# KiCad board panel.kicad_pcb (continued)
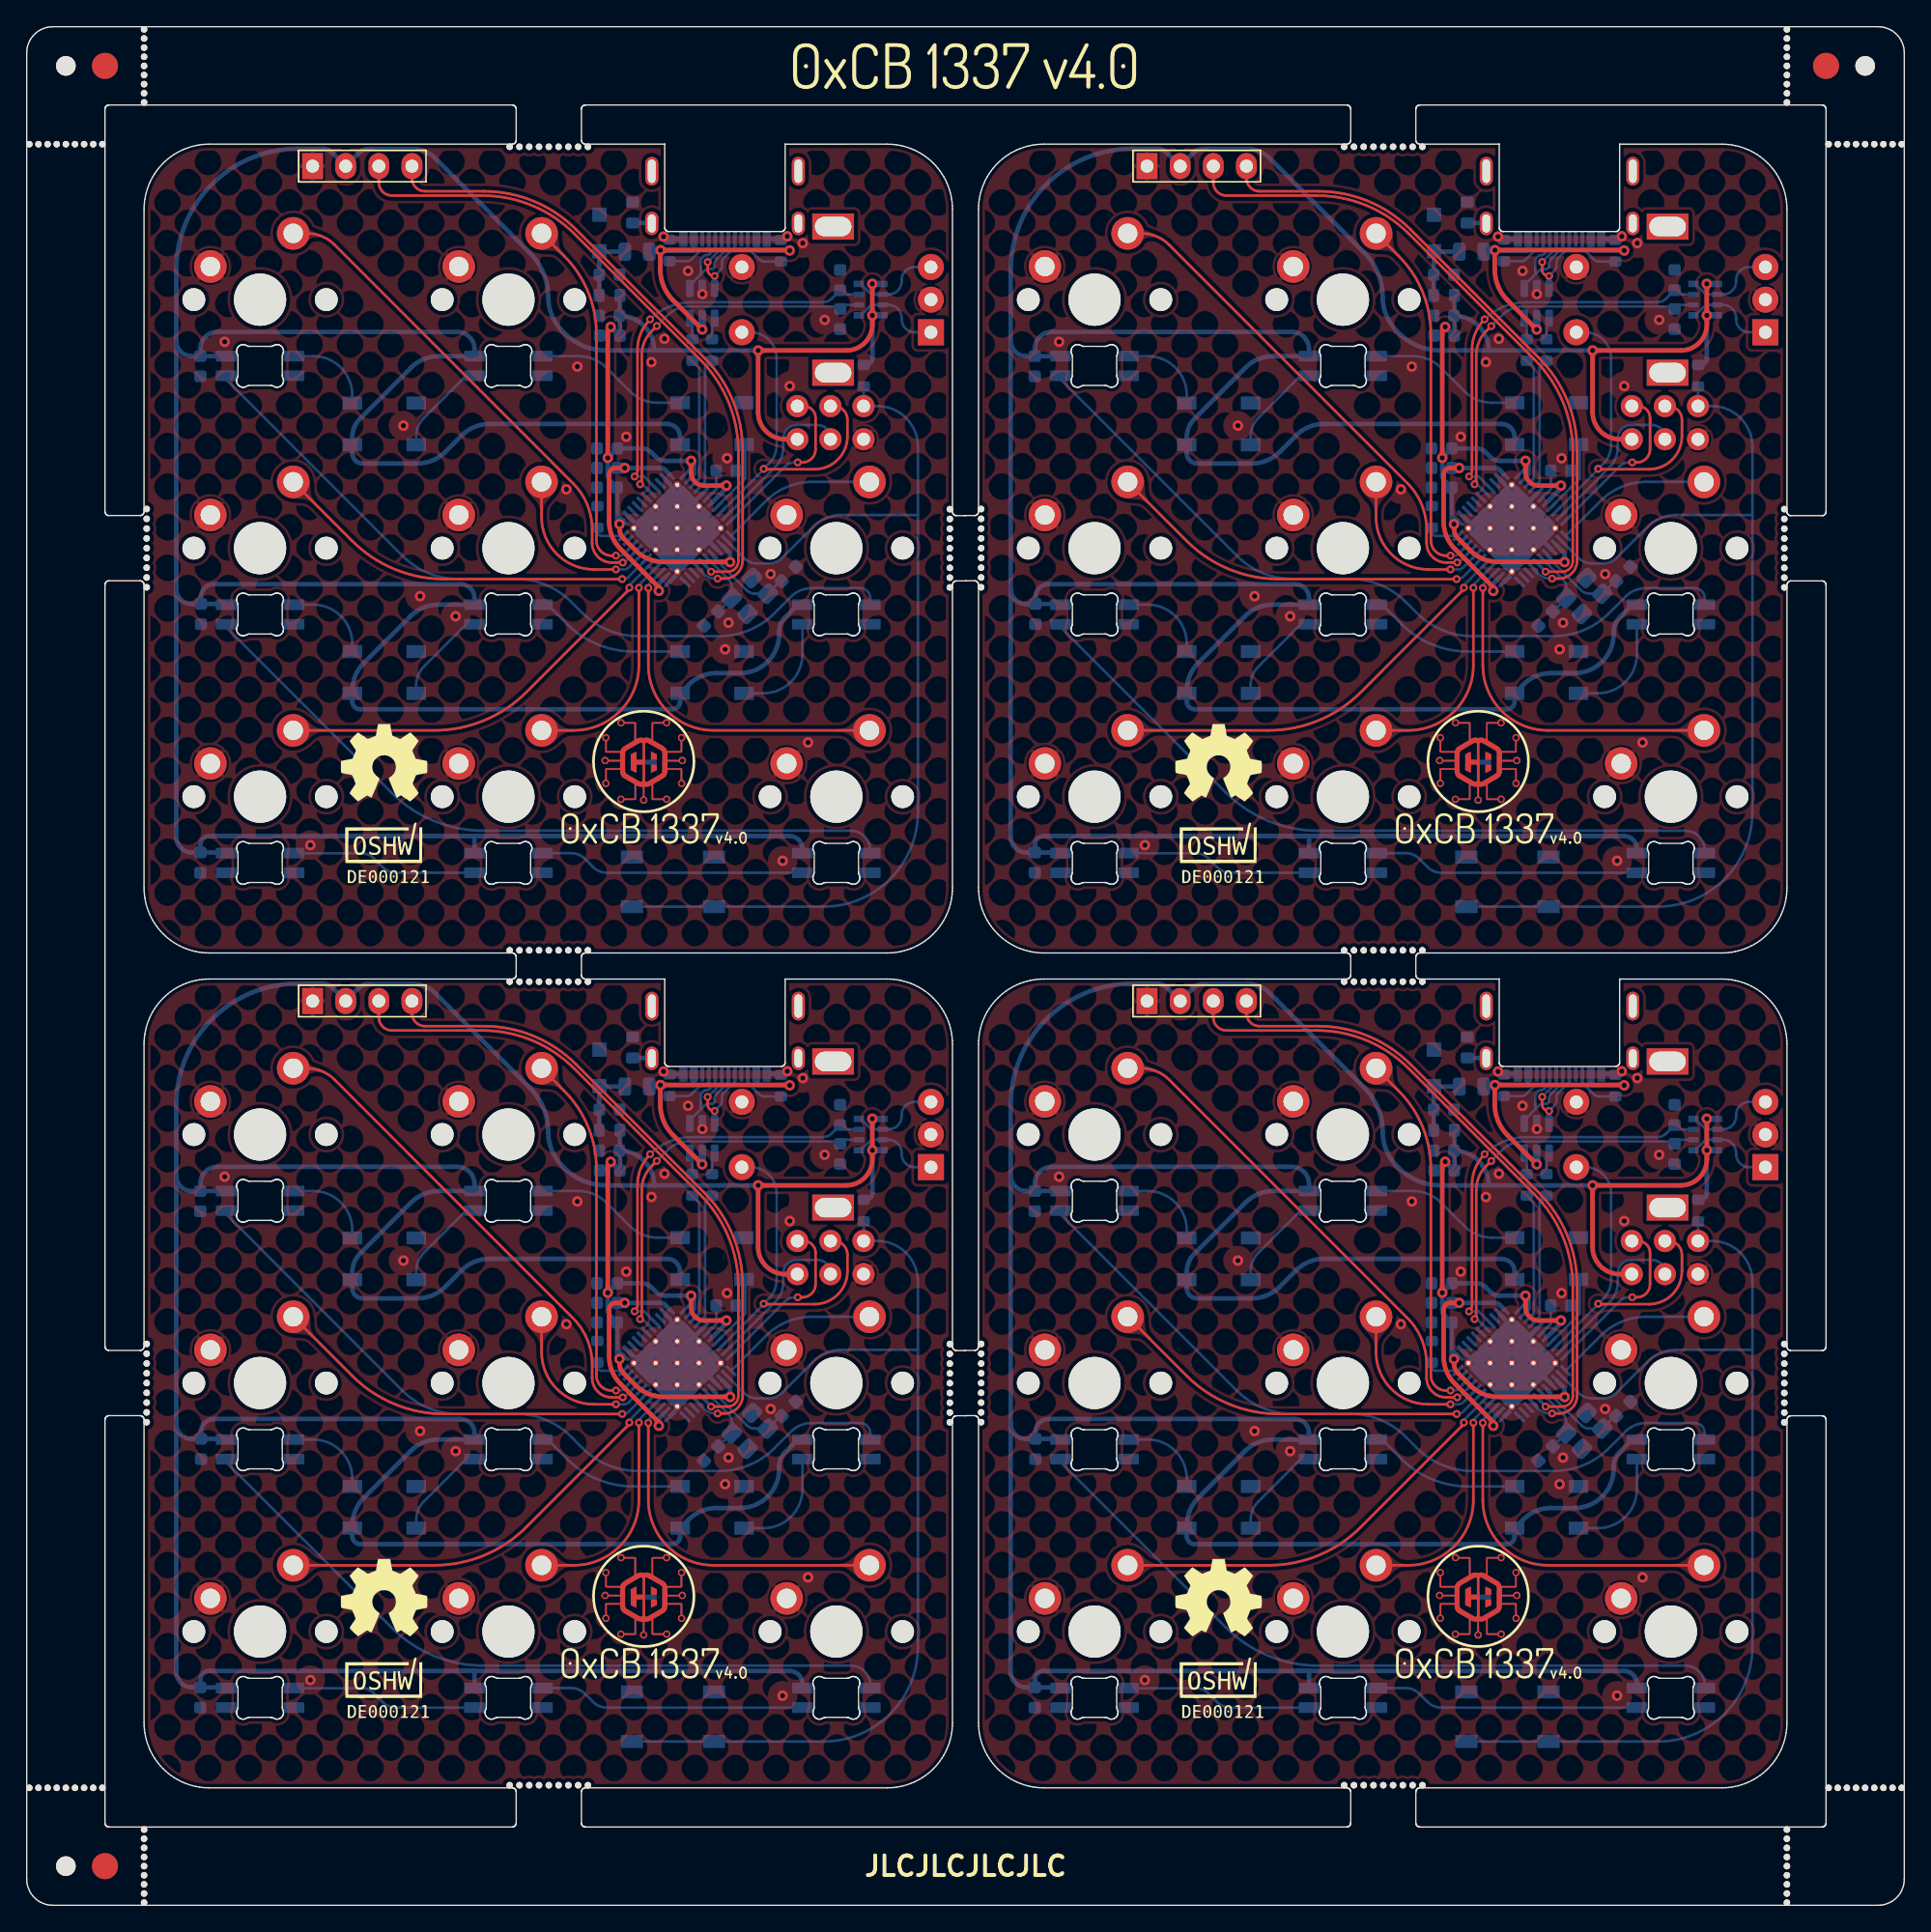
[diagram p0: board, top side]
## Copper pours and planes (outline as drawn; the poured copper is in the pictures) (continued)
Board_1-S4 on Top: 86.27,107.42 86.07,107.65 85.93,107.85 85.84,108.04 85.79,108.23 85.77,108.42 85.76,108.61 85.75,108.81 85.73,109.02 85.69,109.26 85.62,109.52 83.99,109.55 84.03,107.93 84.29,107.86 84.52,107.82 84.74,107.8 84.94,107.79 85.13,107.78 85.32,107.75 85.5,107.7 85.7,107.62 85.9,107.48 86.13,107.28
Board_1-S5 on Top: 103.59,106.62 103.6,106.92 103.65,107.16 103.73,107.36 103.82,107.53 103.94,107.68 104.06,107.82 104.2,107.97 104.34,108.13 104.48,108.33 104.61,108.57 103.49,109.74 102.36,108.57 102.49,108.33 102.63,108.13 102.77,107.97 102.91,107.82 103.03,107.68 103.15,107.53 103.24,107.36 103.32,107.16 103.37,106.92 103.39,106.62
Board_1-S6 on Bottom: 126.15,109.01 126.44,109 126.69,108.95 126.88,108.87 127.05,108.77 127.2,108.66 127.34,108.53 127.49,108.4 127.65,108.26 127.85,108.12 128.09,107.99 129.26,109.11 128.09,110.24 127.85,110.1 127.65,109.97 127.49,109.83 127.34,109.69 127.2,109.56 127.05,109.45 126.88,109.35 126.69,109.28 126.44,109.23 126.15,109.21
Board_1-S7 on Top: 86.93,90.16 86.63,90.18 86.39,90.23 86.19,90.3 86.02,90.4 85.87,90.51 85.73,90.64 85.58,90.78 85.42,90.92 85.22,91.05 84.98,91.19 83.81,90.06 84.98,88.94 85.22,89.07 85.42,89.21 85.58,89.35 85.73,89.48 85.87,89.61 86.02,89.72 86.19,89.82 86.39,89.9 86.63,89.95 86.93,89.96
Board_1-S8 on Top: 105.94,90.16 105.65,90.18 105.42,90.22 105.23,90.29 105.06,90.39 104.92,90.5 104.78,90.62 104.64,90.75 104.49,90.89 104.3,91.02 104.09,91.16 102.86,90.06 104.09,88.97 104.3,89.1 104.49,89.24 104.64,89.38 104.78,89.51 104.92,89.63 105.06,89.74 105.23,89.83 105.42,89.9 105.65,89.95 105.94,89.96
Board_1-S9 on Top: 126.15,89.96 126.44,89.95 126.69,89.9 126.88,89.82 127.05,89.72 127.2,89.61 127.34,89.48 127.49,89.35 127.65,89.21 127.85,89.07 128.09,88.94 129.26,90.06 128.09,91.19 127.85,91.05 127.65,90.92 127.49,90.78 127.34,90.64 127.2,90.51 127.05,90.4 126.88,90.3 126.69,90.23 126.44,90.18 126.15,90.16
Board_1-SCL on Top: 91.1,131.9 91.15,132.17 91.17,132.25 91.18,132.32 91.21,132.39 91.23,132.46 91.27,132.51 91.32,132.55 91.37,132.59 91.46,132.66 91,133.72 90.55,132.66 90.64,132.59 90.69,132.55 90.74,132.51 90.8,132.38 90.82,132.32 90.84,132.24 90.87,132.1 90.92,131.9
Board_1-SDA on Top: 93.77,131.92 93.71,132.12 93.72,132.3 93.74,132.41 93.77,132.41 93.78,132.48 93.83,132.53 93.87,132.57 93.92,132.61 94.01,132.68 93.56,133.74 93.11,132.68 93.2,132.61 93.25,132.57 93.29,132.53 93.35,132.4 93.38,132.34 93.4,132.26 93.45,132.11 93.55,131.92
Board_1-VCC on Bottom: 89.34,134.44 89.24,134.35 89.14,134.28 89.05,134.22 88.96,134.18 88.87,134.16 88.78,134.14 88.69,134.13 88.6,134.12 88.51,134.12 88.41,134.11 88.18,133.03 89.26,133.26 89.27,133.36 89.27,133.45 89.28,133.55 89.29,133.64 89.3,133.72 89.33,133.81 89.37,133.9 89.42,134 89.5,134.09 89.59,134.19
Board_1-VCC on Bottom: 87.31,134.22 87.41,134.11 87.49,134.01 87.55,133.91 87.59,133.82 87.61,133.72 87.63,133.63 87.64,133.54 87.66,133.33 87.67,133.22 88.75,133.03 88.56,134.11 88.45,134.12 88.24,134.14 88.15,134.15 88.06,134.17 87.96,134.19 87.87,134.23 87.77,134.29 87.67,134.37 87.56,134.47
Board_2-GND on Top, Bottom: 5.24,75.08 75.24,75.08 75.24,5.08 5.24,5.08
Board_2-Net-(C1-Pad1) on Bottom: 44.09,61.69 44.09,61.81 44.11,61.92 44.13,62.01 44.15,62.08 44.19,62.15 44.22,62.22 44.31,62.36 44.36,62.44 44.42,62.54 43.94,63.07 43.43,62.56 43.48,62.46 43.52,62.38 43.61,62.23 43.64,62.16 43.68,62.09 43.7,62.01 43.72,61.92 43.73,61.81 43.74,61.69
Board_2-Net-(C1-Pad1) on Bottom: 45.03,62.94 44.91,62.94 44.8,62.95 44.71,62.97 44.64,63 44.57,63.03 44.5,63.07 44.37,63.17 44.29,63.22 44.2,63.27 43.65,62.81 44.14,62.28 44.24,62.33 44.33,62.37 44.48,62.46 44.55,62.49 44.62,62.52 44.7,62.55 44.79,62.57 44.9,62.58 45.03,62.59
Board_2-Net-(C1-Pad1) on Bottom: 44.9,62.59 45.01,62.58 45.11,62.57 45.19,62.56 45.26,62.54 45.32,62.51 45.38,62.48 45.5,62.41 45.57,62.37 45.66,62.32 46.12,62.76 45.66,63.2 45.57,63.16 45.5,63.12 45.38,63.04 45.32,63.01 45.26,62.99 45.19,62.97 45.11,62.95 45.01,62.94 44.9,62.94
Board_2-Net-(C11-Pad2) on Bottom: 57.6,37.46 57.5,37.36 57.4,37.29 57.32,37.25 57.23,37.22 57.14,37.2 57.06,37.19 56.96,37.18 56.87,37.17 56.76,37.15 56.64,37.11 56.62,36.33 57.4,36.35 57.44,36.47 57.46,36.58 57.47,36.67 57.48,36.77 57.49,36.85 57.51,36.94 57.54,37.03 57.58,37.11 57.65,37.21 57.75,37.31
Board_2-Net-(C13-Pad2) on Bottom: 53.3,35.28 53.41,35.37 53.5,35.44 53.59,35.48 53.68,35.51 53.76,35.53 53.85,35.54 53.94,35.55 54.04,35.56 54.15,35.59 54.27,35.62 54.29,36.4 53.51,36.39 53.47,36.27 53.45,36.16 53.44,36.06 53.43,35.97 53.42,35.88 53.4,35.79 53.37,35.71 53.32,35.62 53.26,35.52 53.16,35.42
Board_2-Net-(D10-Pad2) on Bottom: 49.12,51.08 49.24,51.07 49.34,51.06 49.41,51.03 49.48,51 49.54,50.96 49.6,50.92 49.66,50.87 49.73,50.82 49.8,50.78 49.9,50.73 50.36,51.18 49.9,51.63 49.8,51.58 49.73,51.53 49.66,51.48 49.6,51.43 49.54,51.39 49.48,51.35 49.41,51.32 49.34,51.3 49.24,51.28 49.12,51.28
Board_2-Net-(D12-Pad2) on Bottom: 49.12,32.01 49.24,32 49.34,31.99 49.41,31.96 49.48,31.93 49.54,31.89 49.6,31.85 49.66,31.8 49.73,31.76 49.8,31.71 49.9,31.66 50.36,32.11 49.9,32.56 49.8,32.51 49.73,32.46 49.66,32.41 49.6,32.36 49.54,32.32 49.48,32.28 49.41,32.25 49.34,32.23 49.24,32.21 49.12,32.21
Board_2-Net-(D12-Pad4) on Bottom: 56,29.01 55.89,29.01 55.79,29.03 55.71,29.05 55.65,29.08 55.58,29.12 55.53,29.16 55.47,29.21 55.4,29.26 55.32,29.31 55.23,29.36 54.76,28.91 55.23,28.46 55.32,28.51 55.4,28.56 55.47,28.6 55.53,28.65 55.58,28.69 55.65,28.73 55.71,28.76 55.79,28.79 55.89,28.8 56,28.81
Board_2-Net-(FB1-Pad2) on Bottom: 46.94,64.78 47.05,64.78 47.14,64.77 47.22,64.75 47.29,64.73 47.36,64.7 47.42,64.66 47.61,64.54 47.69,64.49 48.19,64.91 47.75,65.39 47.66,65.35 47.58,65.31 47.44,65.24 47.38,65.21 47.31,65.18 47.24,65.16 47.15,65.14 47.06,65.13 46.94,65.13
Board_2-Net-(MX3-PadA) on Bottom: 68.11,56.48 68.16,56.48 68.2,56.47 68.24,56.45 68.28,56.42 68.31,56.4 68.34,56.37 68.39,56.29 69.85,56.58 68.39,56.88 68.34,56.79 68.31,56.77 68.28,56.74 68.24,56.72 68.2,56.7 68.16,56.69 68.11,56.68
Board_2-Net-(MX3-PadB) on Bottom: 68.11,61.48 68.16,61.48 68.2,61.47 68.24,61.45 68.28,61.42 68.31,61.4 68.34,61.37 68.39,61.29 69.85,61.58 68.39,61.88 68.34,61.79 68.31,61.77 68.28,61.74 68.24,61.72 68.2,61.7 68.16,61.69 68.11,61.68
Board_2-RGB on Bottom: 55.22,46.98 55.22,47.11 55.24,47.21 55.26,47.3 55.29,47.38 55.32,47.44 55.39,47.58 55.43,47.66 55.47,47.75 55.5,47.85 54.96,48.22 54.62,47.67 54.68,47.6 54.74,47.53 54.85,47.42 54.9,47.37 54.94,47.32 54.97,47.26 55,47.18 55.01,47.09 55.02,46.98
Board_2-RST on Bottom: 64.09,52.43 64.08,52.28 64.06,52.16 64.02,52.05 63.98,51.95 63.93,51.87 63.86,51.8 63.8,51.73 63.65,51.59 63.57,51.52 64.17,50.5 64.8,51.5 64.72,51.58 64.58,51.72 64.51,51.79 64.45,51.87 64.4,51.95 64.35,52.04 64.32,52.15 64.3,52.28 64.29,52.43
Board_2-RST on Bottom: 47.4,12.65 47.29,12.66 47.19,12.67 47.11,12.7 47.05,12.73 46.98,12.77 46.93,12.81 46.87,12.85 46.8,12.9 46.72,12.95 46.63,13 46.16,12.55 46.63,12.1 46.72,12.15 46.8,12.2 46.87,12.25 46.93,12.29 46.98,12.34 47.05,12.37 47.11,12.41 47.19,12.43 47.29,12.45 47.4,12.45
Board_2-S1 on Top: 22.66,64.03 22.35,64.17 22.12,64.26 21.93,64.33 21.76,64.43 21.61,64.55 21.47,64.67 21.32,64.81 21.15,64.95 20.96,65.09 20.72,65.22 19.55,64.09 20.72,62.97 20.96,63.1 21.15,63.24 21.32,63.38 21.47,63.51 21.61,63.64 21.76,63.76 21.93,63.82 22.12,63.85 22.35,63.85 22.65,63.82
Board_2-S2 on Top: 41.29,62.5 41.1,62.71 40.97,62.91 40.88,63.1 40.83,63.28 40.8,63.45 40.79,63.64 40.79,63.83 40.77,64.03 40.74,64.26 40.69,64.51 39.04,64.6 39.14,62.96 39.39,62.9 39.61,62.87 39.82,62.86 40.01,62.85 40.19,62.84 40.37,62.82 40.55,62.77 40.74,62.68 40.93,62.55 41.15,62.36
Board_2-S3 on Bottom: 56.69,56.31 56.37,56.52 56.16,56.65 55.99,56.78 55.83,56.89 55.68,57.01 55.54,57.13 55.39,57.27 55.23,57.41 55.02,57.41 54.75,57.4 53.92,56.56 54.78,55.83 55.03,55.77 55.23,55.7 55.39,55.84 55.54,55.97 55.68,56.1 55.83,56.22 56,56.27 56.19,56.28 56.41,56.25 56.64,56.12
Board_2-S4 on Top: 22.27,43.42 22.07,43.65 21.93,43.85 21.84,44.04 21.79,44.23 21.77,44.42 21.76,44.61 21.75,44.81 21.73,45.02 21.69,45.26 21.62,45.52 19.99,45.55 20.03,43.93 20.29,43.86 20.52,43.82 20.74,43.8 20.94,43.79 21.13,43.78 21.32,43.75 21.5,43.7 21.7,43.62 21.9,43.48 22.13,43.28
Board_2-S5 on Top: 39.59,42.62 39.6,42.92 39.65,43.16 39.73,43.36 39.82,43.53 39.94,43.68 40.06,43.82 40.2,43.97 40.34,44.13 40.48,44.33 40.61,44.57 39.49,45.74 38.36,44.57 38.49,44.33 38.63,44.13 38.77,43.97 38.91,43.82 39.03,43.68 39.15,43.53 39.24,43.36 39.32,43.16 39.37,42.92 39.39,42.62
Board_2-S6 on Bottom: 62.15,45.01 62.44,45 62.69,44.95 62.88,44.87 63.05,44.77 63.2,44.66 63.34,44.53 63.49,44.4 63.65,44.26 63.85,44.12 64.09,43.99 65.26,45.11 64.09,46.24 63.85,46.1 63.65,45.97 63.49,45.83 63.34,45.69 63.2,45.56 63.05,45.45 62.88,45.35 62.69,45.28 62.44,45.23 62.15,45.21
Board_2-S7 on Top: 22.93,26.16 22.63,26.18 22.39,26.23 22.19,26.3 22.02,26.4 21.87,26.51 21.73,26.64 21.58,26.78 21.42,26.92 21.22,27.05 20.98,27.19 19.81,26.06 20.98,24.94 21.22,25.07 21.42,25.21 21.58,25.35 21.73,25.48 21.87,25.61 22.02,25.72 22.19,25.82 22.39,25.9 22.63,25.95 22.93,25.96
Board_2-S8 on Top: 41.94,26.16 41.65,26.18 41.42,26.22 41.23,26.29 41.06,26.39 40.92,26.5 40.78,26.62 40.64,26.75 40.49,26.89 40.3,27.02 40.09,27.16 38.86,26.06 40.09,24.97 40.3,25.1 40.49,25.24 40.64,25.38 40.78,25.51 40.92,25.63 41.06,25.74 41.23,25.83 41.42,25.9 41.65,25.95 41.94,25.96
Board_2-S9 on Top: 62.15,25.96 62.44,25.95 62.69,25.9 62.88,25.82 63.05,25.72 63.2,25.61 63.34,25.48 63.49,25.35 63.65,25.21 63.85,25.07 64.09,24.94 65.26,26.06 64.09,27.19 63.85,27.05 63.65,26.92 63.49,26.78 63.34,26.64 63.2,26.51 63.05,26.4 62.88,26.3 62.69,26.23 62.44,26.18 62.15,26.16
Board_2-SCL on Top: 27.1,67.9 27.15,68.17 27.17,68.25 27.18,68.32 27.21,68.39 27.23,68.46 27.27,68.51 27.32,68.55 27.37,68.59 27.46,68.66 27,69.72 26.55,68.66 26.64,68.59 26.69,68.55 26.74,68.51 26.8,68.38 26.82,68.32 26.84,68.24 26.87,68.1 26.92,67.9
Board_2-SDA on Top: 29.77,67.92 29.71,68.12 29.72,68.3 29.74,68.41 29.77,68.41 29.78,68.48 29.83,68.53 29.87,68.57 29.92,68.61 30.01,68.68 29.56,69.74 29.11,68.68 29.2,68.61 29.25,68.57 29.29,68.53 29.35,68.4 29.38,68.34 29.4,68.26 29.45,68.11 29.55,67.92
Board_2-VCC on Bottom: 23.31,70.22 23.41,70.11 23.49,70.01 23.55,69.91 23.59,69.82 23.61,69.72 23.63,69.63 23.64,69.54 23.66,69.33 23.67,69.22 24.75,69.03 24.56,70.11 24.45,70.12 24.24,70.14 24.15,70.15 24.06,70.17 23.96,70.19 23.87,70.23 23.77,70.29 23.67,70.37 23.56,70.47
Board_2-VCC on Bottom: 25.34,70.44 25.24,70.35 25.14,70.28 25.05,70.22 24.96,70.18 24.87,70.16 24.78,70.14 24.69,70.13 24.6,70.12 24.51,70.12 24.41,70.11 24.18,69.03 25.26,69.26 25.27,69.36 25.27,69.45 25.28,69.55 25.29,69.64 25.3,69.72 25.33,69.81 25.37,69.9 25.42,70 25.5,70.09 25.59,70.19
Board_3-GND on Top, Bottom: 69.24,75.08 139.24,75.08 139.24,5.08 69.24,5.08
Board_3-Net-(C1-Pad1) on Bottom: 109.03,62.94 108.91,62.94 108.8,62.95 108.71,62.97 108.64,63 108.57,63.03 108.5,63.07 108.37,63.17 108.29,63.22 108.2,63.27 107.65,62.81 108.14,62.28 108.24,62.33 108.33,62.37 108.48,62.46 108.55,62.49 108.62,62.52 108.7,62.55 108.79,62.57 108.9,62.58 109.03,62.59
Board_3-Net-(C1-Pad1) on Bottom: 108.9,62.59 109.01,62.58 109.11,62.57 109.19,62.56 109.26,62.54 109.32,62.51 109.38,62.48 109.5,62.41 109.57,62.37 109.66,62.32 110.12,62.76 109.66,63.2 109.57,63.16 109.5,63.12 109.38,63.04 109.32,63.01 109.26,62.99 109.19,62.97 109.11,62.95 109.01,62.94 108.9,62.94
Board_3-Net-(C1-Pad1) on Bottom: 108.09,61.69 108.09,61.81 108.11,61.92 108.13,62.01 108.15,62.08 108.19,62.15 108.22,62.22 108.31,62.36 108.36,62.44 108.42,62.54 107.94,63.07 107.43,62.56 107.48,62.46 107.52,62.38 107.61,62.23 107.64,62.16 107.68,62.09 107.7,62.01 107.72,61.92 107.73,61.81 107.74,61.69
Board_3-Net-(C11-Pad2) on Bottom: 121.6,37.46 121.5,37.36 121.4,37.29 121.32,37.25 121.23,37.22 121.14,37.2 121.06,37.19 120.96,37.18 120.87,37.17 120.76,37.15 120.64,37.11 120.62,36.33 121.4,36.35 121.44,36.47 121.46,36.58 121.47,36.67 121.48,36.77 121.49,36.85 121.51,36.94 121.54,37.03 121.58,37.11 121.65,37.21 121.75,37.31
Board_3-Net-(C13-Pad2) on Bottom: 117.3,35.28 117.41,35.37 117.5,35.44 117.59,35.48 117.68,35.51 117.76,35.53 117.85,35.54 117.94,35.55 118.04,35.56 118.15,35.59 118.27,35.62 118.29,36.4 117.51,36.39 117.47,36.27 117.45,36.16 117.44,36.06 117.43,35.97 117.42,35.88 117.4,35.79 117.37,35.71 117.32,35.62 117.26,35.52 117.16,35.42
Board_3-Net-(D10-Pad2) on Bottom: 113.12,51.08 113.24,51.07 113.34,51.06 113.41,51.03 113.48,51 113.54,50.96 113.6,50.92 113.66,50.87 113.73,50.82 113.8,50.78 113.9,50.73 114.36,51.18 113.9,51.63 113.8,51.58 113.73,51.53 113.66,51.48 113.6,51.43 113.54,51.39 113.48,51.35 113.41,51.32 113.34,51.3 113.24,51.28 113.12,51.28
Board_3-Net-(D12-Pad2) on Bottom: 113.12,32.01 113.24,32 113.34,31.99 113.41,31.96 113.48,31.93 113.54,31.89 113.6,31.85 113.66,31.8 113.73,31.76 113.8,31.71 113.9,31.66 114.36,32.11 113.9,32.56 113.8,32.51 113.73,32.46 113.66,32.41 113.6,32.36 113.54,32.32 113.48,32.28 113.41,32.25 113.34,32.23 113.24,32.21 113.12,32.21
Board_3-Net-(D12-Pad4) on Bottom: 120,29.01 119.89,29.01 119.79,29.03 119.71,29.05 119.65,29.08 119.58,29.12 119.53,29.16 119.47,29.21 119.4,29.26 119.32,29.31 119.23,29.36 118.76,28.91 119.23,28.46 119.32,28.51 119.4,28.56 119.47,28.6 119.53,28.65 119.58,28.69 119.65,28.73 119.71,28.76 119.79,28.79 119.89,28.8 120,28.81
Board_3-Net-(FB1-Pad2) on Bottom: 110.94,64.78 111.05,64.78 111.14,64.77 111.22,64.75 111.29,64.73 111.36,64.7 111.42,64.66 111.61,64.54 111.69,64.49 112.19,64.91 111.75,65.39 111.66,65.35 111.58,65.31 111.44,65.24 111.38,65.21 111.31,65.18 111.24,65.16 111.15,65.14 111.06,65.13 110.94,65.13
Board_3-Net-(MX3-PadA) on Bottom: 132.11,56.48 132.16,56.48 132.2,56.47 132.24,56.45 132.28,56.42 132.31,56.4 132.34,56.37 132.39,56.29 133.85,56.58 132.39,56.88 132.34,56.79 132.31,56.77 132.28,56.74 132.24,56.72 132.2,56.7 132.16,56.69 132.11,56.68
Board_3-Net-(MX3-PadB) on Bottom: 132.11,61.48 132.16,61.48 132.2,61.47 132.24,61.45 132.28,61.42 132.31,61.4 132.34,61.37 132.39,61.29 133.85,61.58 132.39,61.88 132.34,61.79 132.31,61.77 132.28,61.74 132.24,61.72 132.2,61.7 132.16,61.69 132.11,61.68
Board_3-RGB on Bottom: 119.22,46.98 119.22,47.11 119.24,47.21 119.26,47.3 119.29,47.38 119.32,47.44 119.39,47.58 119.43,47.66 119.47,47.75 119.5,47.85 118.96,48.22 118.62,47.67 118.68,47.6 118.74,47.53 118.85,47.42 118.9,47.37 118.94,47.32 118.97,47.26 119,47.18 119.01,47.09 119.02,46.98
Board_3-RST on Bottom: 111.4,12.65 111.29,12.66 111.19,12.67 111.11,12.7 111.05,12.73 110.98,12.77 110.93,12.81 110.87,12.85 110.8,12.9 110.72,12.95 110.63,13 110.16,12.55 110.63,12.1 110.72,12.15 110.8,12.2 110.87,12.25 110.93,12.29 110.98,12.34 111.05,12.37 111.11,12.41 111.19,12.43 111.29,12.45 111.4,12.45
Board_3-RST on Bottom: 128.09,52.43 128.08,52.28 128.06,52.16 128.02,52.05 127.98,51.95 127.93,51.87 127.86,51.8 127.8,51.73 127.65,51.59 127.57,51.52 128.17,50.5 128.8,51.5 128.72,51.58 128.58,51.72 128.51,51.79 128.45,51.87 128.4,51.95 128.35,52.04 128.32,52.15 128.3,52.28 128.29,52.43
Board_3-S1 on Top: 86.66,64.03 86.35,64.17 86.12,64.26 85.93,64.33 85.76,64.43 85.61,64.55 85.47,64.67 85.32,64.81 85.15,64.95 84.96,65.09 84.72,65.22 83.55,64.09 84.72,62.97 84.96,63.1 85.15,63.24 85.32,63.38 85.47,63.51 85.61,63.64 85.76,63.76 85.93,63.82 86.12,63.85 86.35,63.85 86.65,63.82
Board_3-S2 on Top: 105.29,62.5 105.1,62.71 104.97,62.91 104.88,63.1 104.83,63.28 104.8,63.45 104.79,63.64 104.79,63.83 104.77,64.03 104.74,64.26 104.69,64.51 103.04,64.6 103.14,62.96 103.39,62.9 103.61,62.87 103.82,62.86 104.01,62.85 104.19,62.84 104.37,62.82 104.55,62.77 104.74,62.68 104.93,62.55 105.15,62.36
Board_3-S3 on Bottom: 120.69,56.31 120.37,56.52 120.16,56.65 119.99,56.78 119.83,56.89 119.68,57.01 119.54,57.13 119.39,57.27 119.23,57.41 119.02,57.41 118.75,57.4 117.92,56.56 118.78,55.83 119.03,55.77 119.23,55.7 119.39,55.84 119.54,55.97 119.68,56.1 119.83,56.22 120,56.27 120.19,56.28 120.41,56.25 120.64,56.12
Board_3-S4 on Top: 86.27,43.42 86.07,43.65 85.93,43.85 85.84,44.04 85.79,44.23 85.77,44.42 85.76,44.61 85.75,44.81 85.73,45.02 85.69,45.26 85.62,45.52 83.99,45.55 84.03,43.93 84.29,43.86 84.52,43.82 84.74,43.8 84.94,43.79 85.13,43.78 85.32,43.75 85.5,43.7 85.7,43.62 85.9,43.48 86.13,43.28
Board_3-S5 on Top: 103.59,42.62 103.6,42.92 103.65,43.16 103.73,43.36 103.82,43.53 103.94,43.68 104.06,43.82 104.2,43.97 104.34,44.13 104.48,44.33 104.61,44.57 103.49,45.74 102.36,44.57 102.49,44.33 102.63,44.13 102.77,43.97 102.91,43.82 103.03,43.68 103.15,43.53 103.24,43.36 103.32,43.16 103.37,42.92 103.39,42.62
Board_3-S6 on Bottom: 126.15,45.01 126.44,45 126.69,44.95 126.88,44.87 127.05,44.77 127.2,44.66 127.34,44.53 127.49,44.4 127.65,44.26 127.85,44.12 128.09,43.99 129.26,45.11 128.09,46.24 127.85,46.1 127.65,45.97 127.49,45.83 127.34,45.69 127.2,45.56 127.05,45.45 126.88,45.35 126.69,45.28 126.44,45.23 126.15,45.21
Board_3-S7 on Top: 86.93,26.16 86.63,26.18 86.39,26.23 86.19,26.3 86.02,26.4 85.87,26.51 85.73,26.64 85.58,26.78 85.42,26.92 85.22,27.05 84.98,27.19 83.81,26.06 84.98,24.94 85.22,25.07 85.42,25.21 85.58,25.35 85.73,25.48 85.87,25.61 86.02,25.72 86.19,25.82 86.39,25.9 86.63,25.95 86.93,25.96
Board_3-S8 on Top: 105.94,26.16 105.65,26.18 105.42,26.22 105.23,26.29 105.06,26.39 104.92,26.5 104.78,26.62 104.64,26.75 104.49,26.89 104.3,27.02 104.09,27.16 102.86,26.06 104.09,24.97 104.3,25.1 104.49,25.24 104.64,25.38 104.78,25.51 104.92,25.63 105.06,25.74 105.23,25.83 105.42,25.9 105.65,25.95 105.94,25.96
Board_3-S9 on Top: 126.15,25.96 126.44,25.95 126.69,25.9 126.88,25.82 127.05,25.72 127.2,25.61 127.34,25.48 127.49,25.35 127.65,25.21 127.85,25.07 128.09,24.94 129.26,26.06 128.09,27.19 127.85,27.05 127.65,26.92 127.49,26.78 127.34,26.64 127.2,26.51 127.05,26.4 126.88,26.3 126.69,26.23 126.44,26.18 126.15,26.16
Board_3-SCL on Top: 91.1,67.9 91.15,68.17 91.17,68.25 91.18,68.32 91.21,68.39 91.23,68.46 91.27,68.51 91.32,68.55 91.37,68.59 91.46,68.66 91,69.72 90.55,68.66 90.64,68.59 90.69,68.55 90.74,68.51 90.8,68.38 90.82,68.32 90.84,68.24 90.87,68.1 90.92,67.9
Board_3-SDA on Top: 93.77,67.92 93.71,68.12 93.72,68.3 93.74,68.41 93.77,68.41 93.78,68.48 93.83,68.53 93.87,68.57 93.92,68.61 94.01,68.68 93.56,69.74 93.11,68.68 93.2,68.61 93.25,68.57 93.29,68.53 93.35,68.4 93.38,68.34 93.4,68.26 93.45,68.11 93.55,67.92
Board_3-VCC on Bottom: 89.34,70.44 89.24,70.35 89.14,70.28 89.05,70.22 88.96,70.18 88.87,70.16 88.78,70.14 88.69,70.13 88.6,70.12 88.51,70.12 88.41,70.11 88.18,69.03 89.26,69.26 89.27,69.36 89.27,69.45 89.28,69.55 89.29,69.64 89.3,69.72 89.33,69.81 89.37,69.9 89.42,70 89.5,70.09 89.59,70.19
Board_3-VCC on Bottom: 87.31,70.22 87.41,70.11 87.49,70.01 87.55,69.91 87.59,69.82 87.61,69.72 87.63,69.63 87.64,69.54 87.66,69.33 87.67,69.22 88.75,69.03 88.56,70.11 88.45,70.12 88.24,70.14 88.15,70.15 88.06,70.17 87.96,70.19 87.87,70.23 87.77,70.29 87.67,70.37 87.56,70.47

Small or netless copper shapes (teardrops, artwork), in the pictures only: 128 on Top, 612 on Bottom

## Text on the board
B.Silkscreen: v4.0 | RST | ISP
F.Silkscreen: v4.0 | JLCJLCJLCJLC
